# Altium PCB Crawler_Brain.PcbDoc
Units mm, origin at the board's own origin, x right, y up, seen from the top; angles counter-clockwise.
Board outline 64.26 x 56.2 mm, 4 copper layers (Top Copper, Signal Layer 1, Signal Layer 2, Bottom Copper), stack 1.57 mm thick; 78 components, 76 nets, 356 pads, 280 vias.
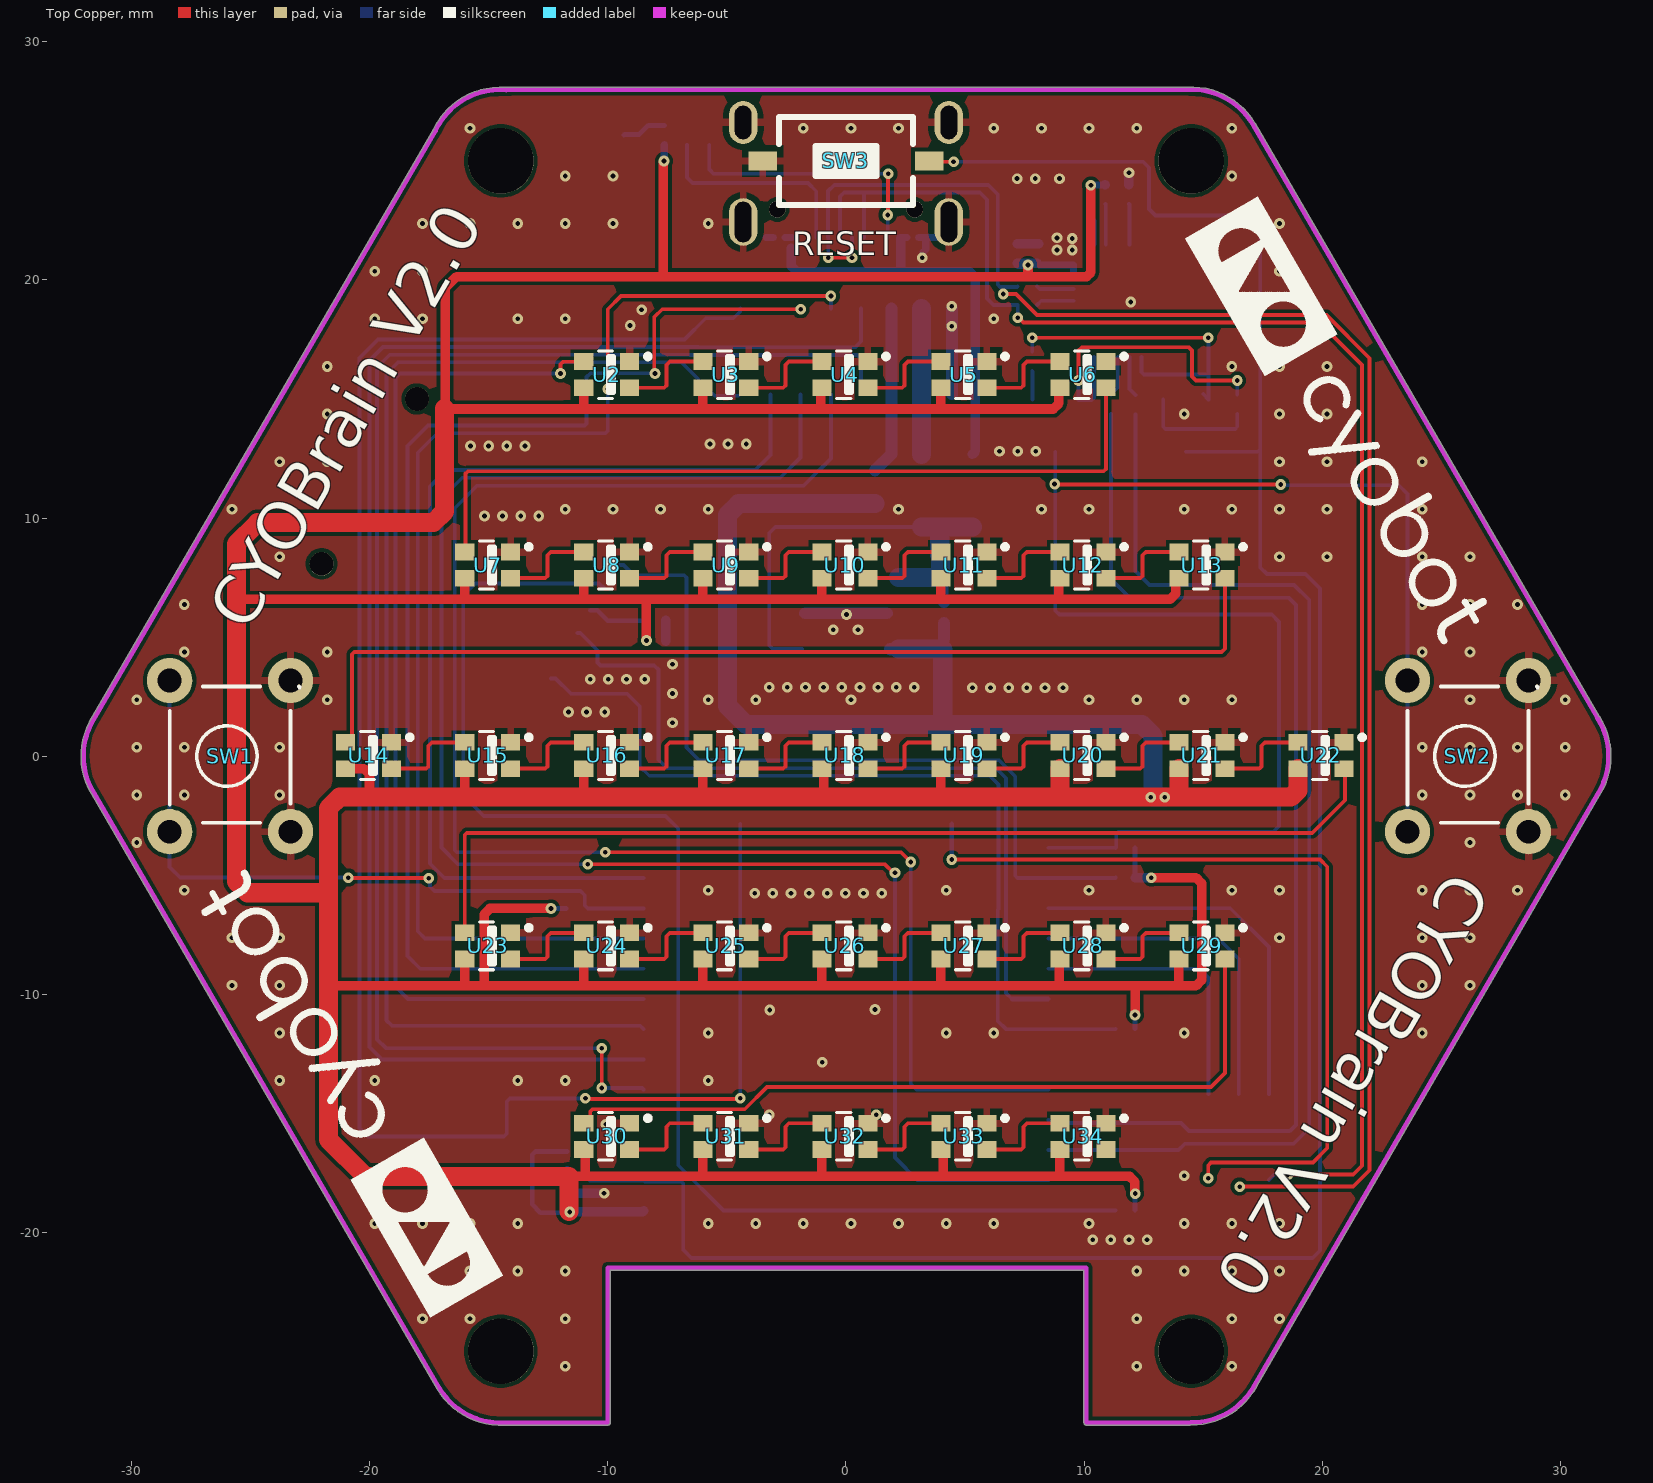
[diagram p0: Top Copper view]
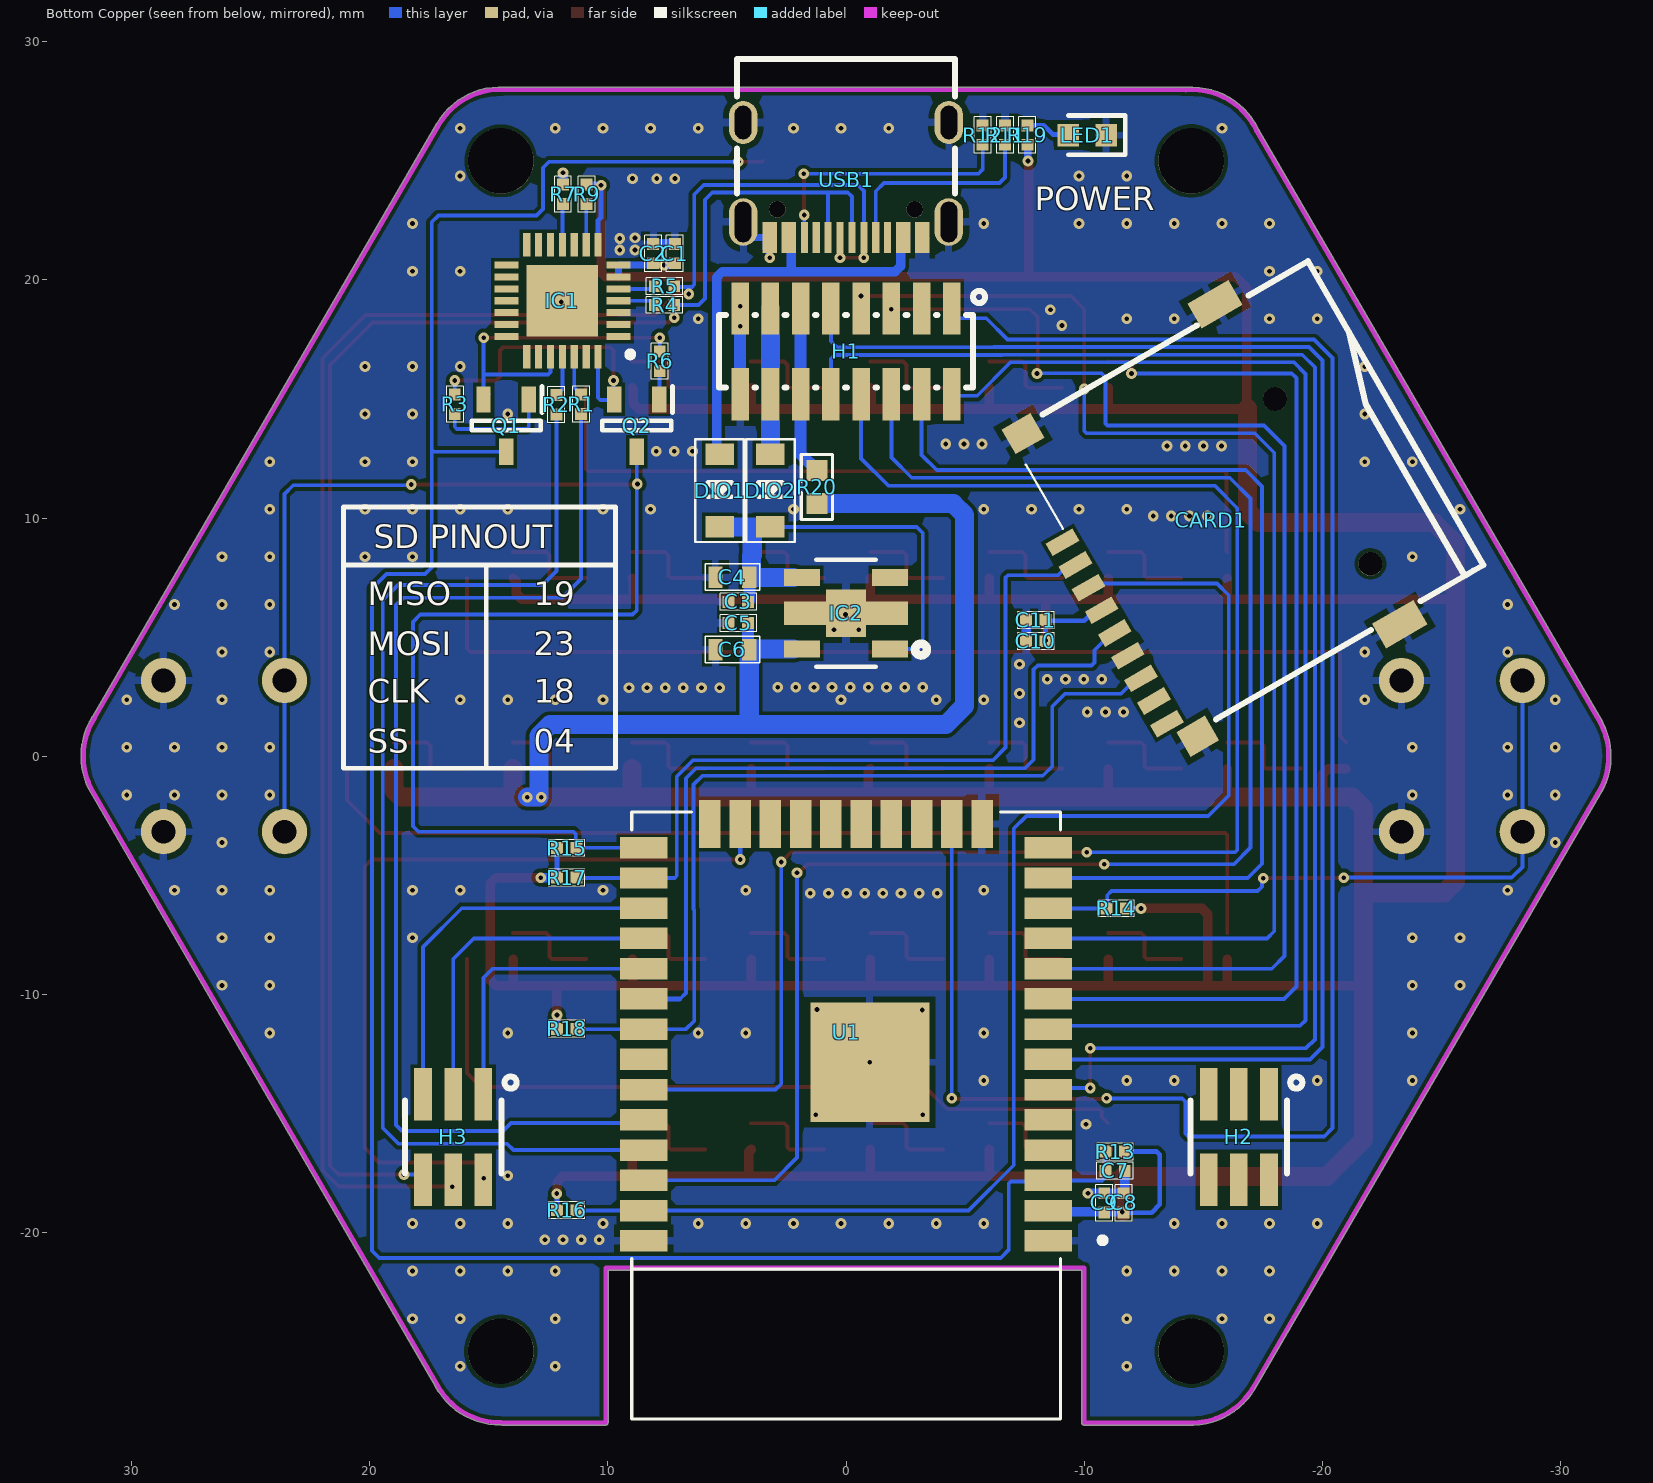
[diagram p1: Bottom Copper view, seen from below]
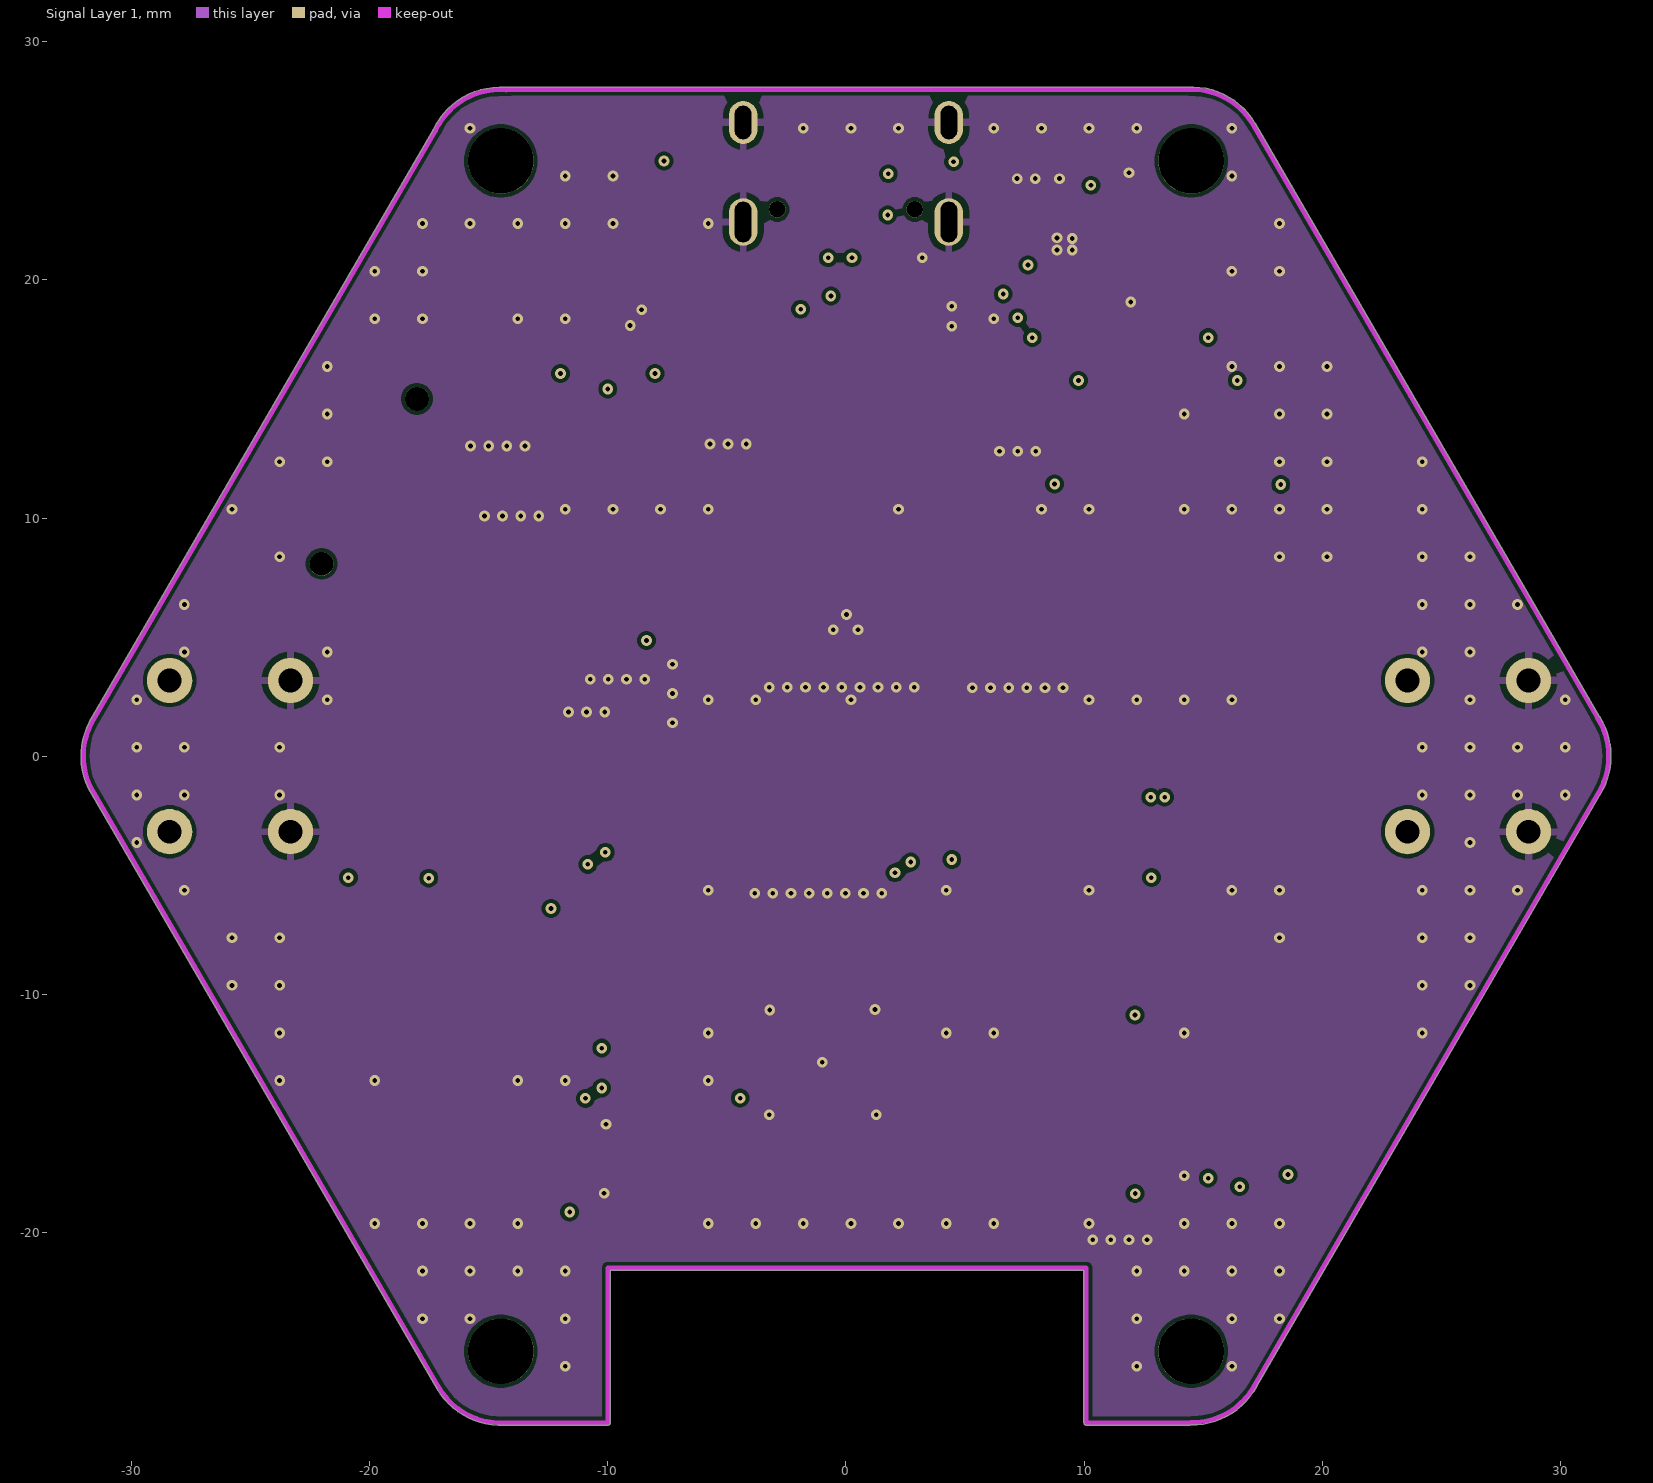
[diagram p2: Signal Layer 1]
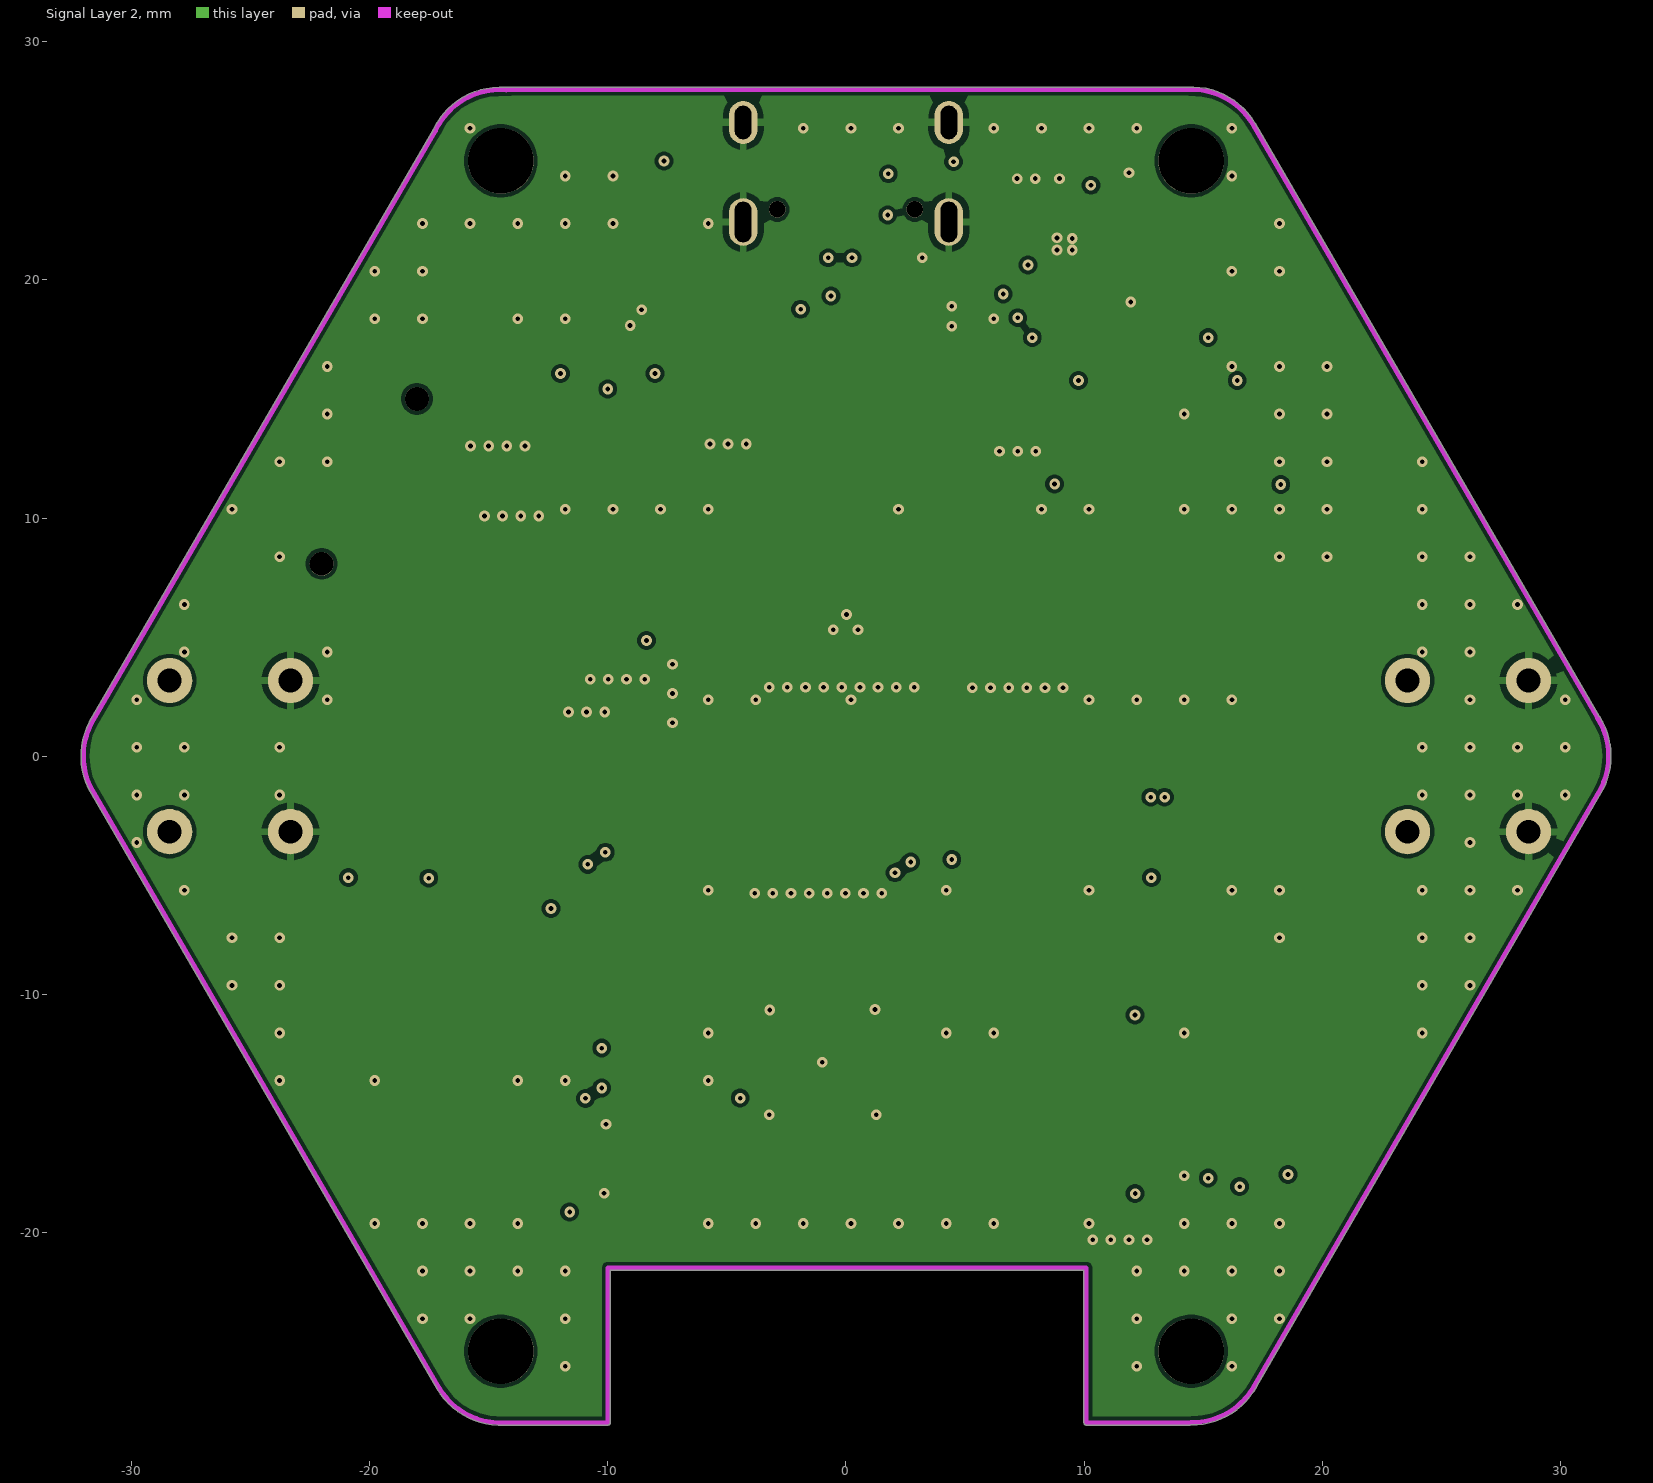
[diagram p3: Signal Layer 2]
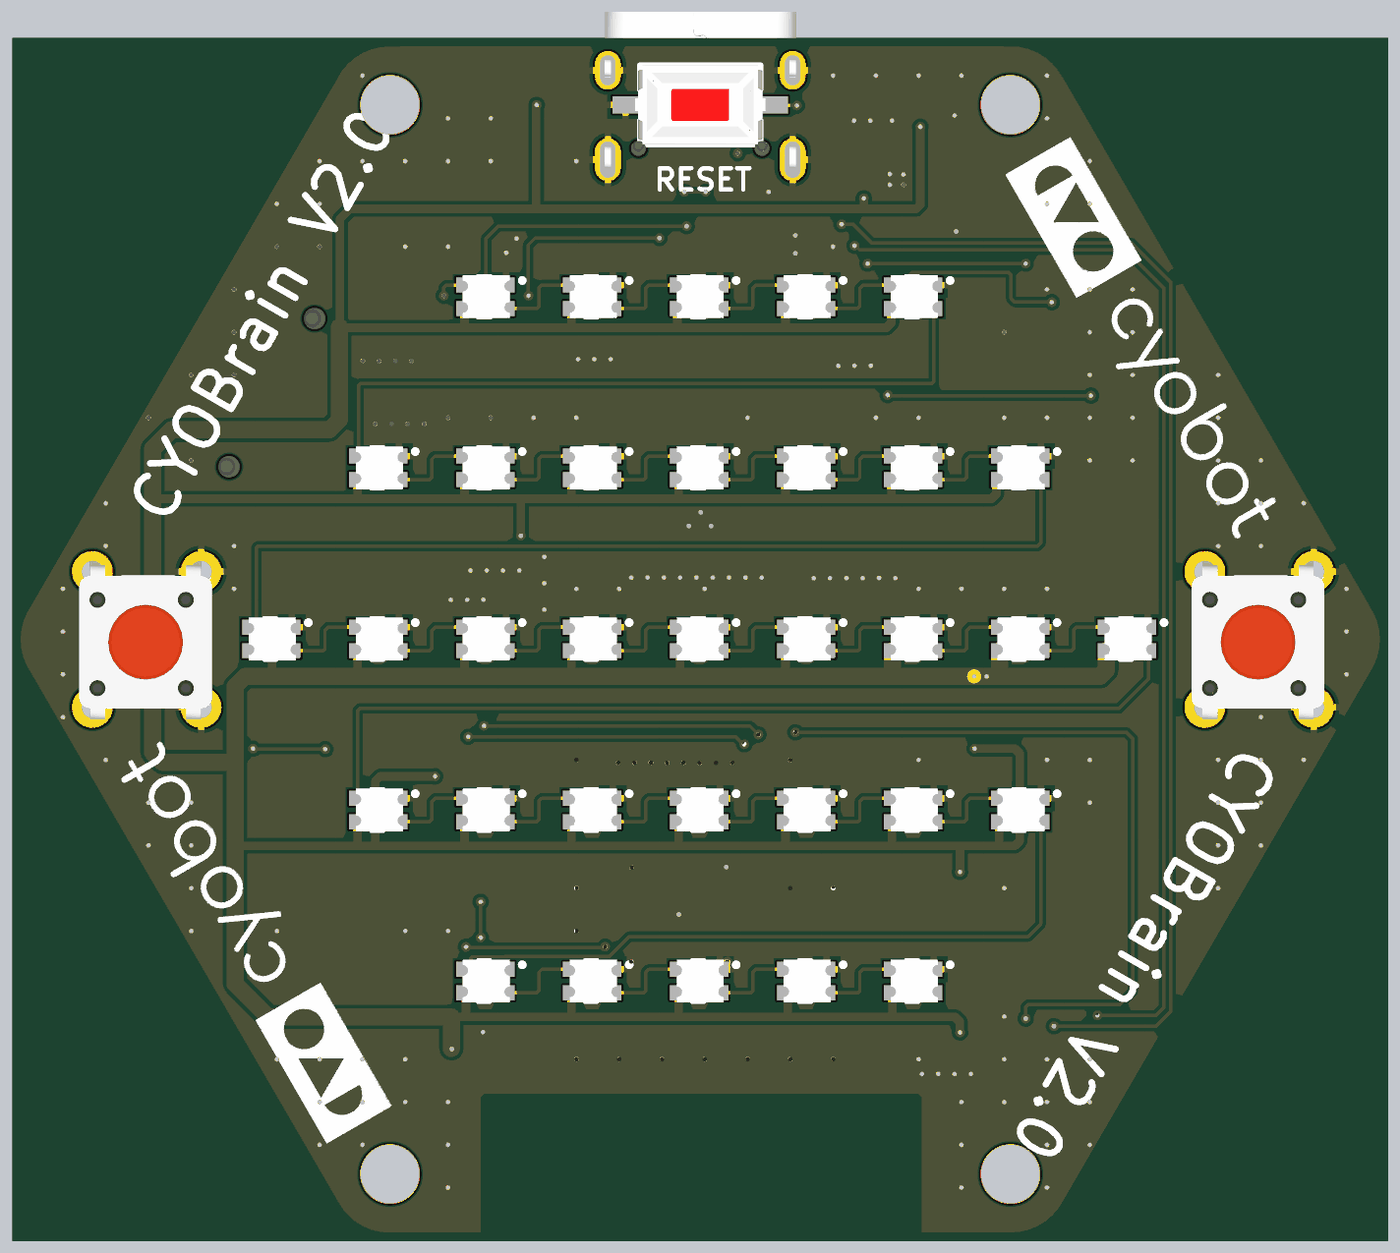
[diagram p4: 3D render of the assembled board from above, using the file's embedded part models]
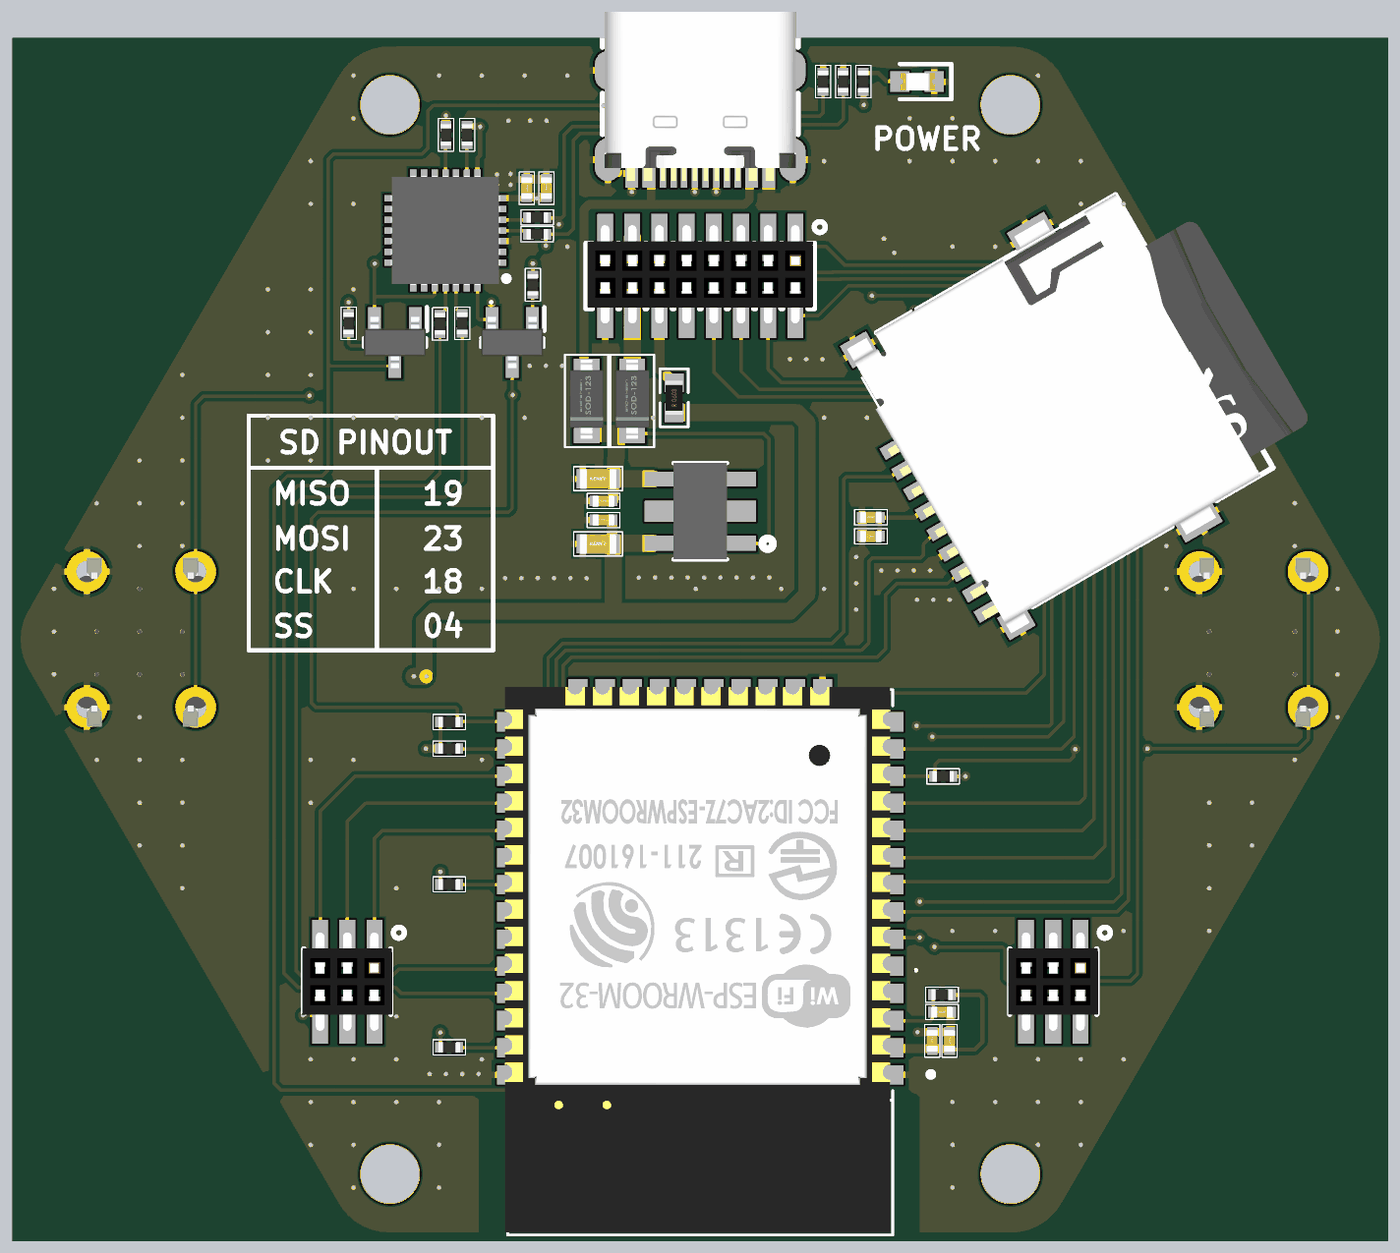
[diagram p5: 3D render of the assembled board from below, using the file's embedded part models]

## Layer stack, top to bottom
Top Mask: solder mask 0.015, Solder Resist, Dk 3.8
Top Copper: signal copper 0.035
Dielectric 1: prepreg 0.2, 7628, Dk 4.6
Signal Layer 1: signal copper 0.0175
Core: core 1.065, FR-4, Dk 4.5
Signal Layer 2: signal copper 0.0175
Dielectric 2: prepreg 0.2, 7628, Dk 4.6
Bottom Copper: signal copper 0.035
Bottom Mask: solder mask 0.015, Solder Resist, Dk 3.8

## Board outline
-17.177,-26.587 ccw(c-14.511,-25.004) -14.354,-28.1 -10,-28.1 ccw(c-10,-28) -9.9,-28 -9.9,-21.6 9.996,-21.6 9.996,-28 ccw(c10.097,-28) 10.097,-28.1 14.453,-28.1 14.489,-28.094 ccw(c14.529,-24.994) 17.254,-26.473 17.259,-26.462 31.796,-1.413 31.808,-1.382 ccw(c29.032,0) 32.133,0 ccw(c29.032,0) 31.655,1.654 31.648,1.669 17.193,26.575 17.161,26.614 ccw(c14.511,25.004) 14.354,28.1 -14.25,28.1 -14.302,28.086 ccw(c-14.529,24.994) -17.337,26.308 -31.786,1.424 -31.789,1.419 ccw(c-29.032,0) -31.831,-1.334 -31.827,-1.341

## Design rules (kind name [scope] priority, off if disabled: settings)
Clearance [All] p1: gap=0.16 ignorepadtopadclearanceinfootprint=TRUE
PolygonConnect [All] p1: thpad.connectstyle=Relief thpad.reliefconductorwidth=0.3 thpad.reliefentries=4 thpad.polygonreliefangle="90 Angle" thpad.airgapwidth=0.254 smdpad.connectstyle=Relief smdpad.reliefconductorwidth=0.3 smdpad.reliefentries=4 smdpad.polygonreliefangle="90 Angle" smdpad.airgapwidth=0.254 via.connectstyle=Direct via.reliefconductorwidth=0.254 via.reliefentries=4 via.polygonreliefangle="90 Angle" via.airgapwidth=0.254
RoutingVias [All] p1: holewidth=0.2 width=0.45 viastyle="Through Hole" minholewidth=0.2 minwidth=0.45 maxholewidth=0.2 maxwidth=0.45
SolderMaskExpansion [All] p1: expansion=0.102 istentingtop=FALSE
UnRoutedNet [All] p1: checkbadconnections=TRUE
Width [All] p1: maxlimit=0.8 minlimit=0.16 preferedwidth=0.16
29 further rules are at their usual default settings.

## Components (designator, comment, footprint, x,y, rotation, side; value= is the part's Value field where it differs from the comment)
C1 "4.7uF" CAP_0402 7.188,21.107 r270 bottom
C2 "100nF" CAP_0402 8.103,21.107 r270 bottom
C3 "1uF" CAP_0402 4.521,6.477 r180 bottom
C4 "22uF" CAP_0603 4.775,7.518 r180 bottom
C5 "1uF" CAP_0402 4.521,5.588 r180 bottom
C6 "22uF" CAP_0603 4.775,4.47 r180 bottom
C7 "100nF" CAP_0402 -11.303,-17.424 r0 bottom
C8 "4.7uF" CAP_0402 -11.659,-18.771 r270 bottom
C9 "100nF" CAP_0402 -10.846,-18.771 r270 bottom
C10 "4.7uF" CAP_0402 -7.976,4.826 r180 bottom
C11 "100nF" CAP_0402 -7.976,5.715 r180 bottom
CARD1 "TF-01A" TF-SMD_TF-01A -14.808,9.627 r60 bottom locked
DIO1 "Diode SMD" DIO-SMD-123 5.309,11.151 r90 bottom value=1N5007
DIO2 "Diode SMD" DIO-SMD-123 3.175,11.151 r90 bottom value=1N5007
H1 "X1321FVS-2X08-C43D48" HDR-SMD_16P-P1.27-V-F-R2-C8-LS4.8 0,17 r0 bottom locked
H2 "X1321FVS-2X03-C43D48" HDR-SMD_6P-P1.27-V-F-R2-C3-LS4.8 -16.5,-16 r0 bottom
H3 "X1321FVS-2X03-C43D48" HDR-SMD_6P-P1.27-V-F-R2-C3-LS4.8 16.5,-16 r0 bottom
IC1 "CP2102N-A02-GQFN28" QFN50P500X500X80-29N 11.913,19.126 r0 bottom
IC2 "XC6220B331PR-G" XC6220B331PRG 0,6 r90 bottom locked
LED1 "LTST-C190KRKT" LEDC1608X80N -10.135,26.086 r0 bottom
Q1 "SS8050-G" SOT95P240X115-3N 14.275,13.885 r270 bottom
Q2 "SS8050-G" SOT95P240X115-3N 8.789,13.885 r270 bottom
R1 "0R" RES_0402 11.125,14.783 r270 bottom
R2 "0R" RES_0402 12.167,14.757 r270 bottom
R3 "10K" RES_0402 16.434,14.783 r90 bottom
R4 "0R" RES_0402 7.62,18.948 r0 bottom
R5 "0R" RES_0402 7.62,19.736 r0 bottom
R6 "10K" RES_0402 7.823,16.586 r90 bottom
R7 "10K" RES_0402 11.887,23.597 r270 bottom
R9 "4.7K" RES_0402 10.897,23.597 r270 bottom
R11 "5.1K" RES_0402 -6.68,26.086 r270 bottom
R12 "5.1K" RES_0402 -5.74,26.086 r90 bottom
R13 "10K" RES_0402 -11.303,-16.612 r180 bottom
R14 "10K" RES_0402 -11.354,-6.401 r180 bottom
R15 "10K" RES_0402 11.735,-3.861 r0 bottom
R16 "10K" RES_0402 11.735,-19.075 r0 bottom
R17 "10K" RES_0402 11.735,-5.105 r0 bottom
R18 "10K" RES_0402 11.735,-11.455 r0 bottom
R19 "470R" RES_0402 -7.62,26.086 r270 bottom
R20 "0R" RES_0603 1.219,11.303 r90 bottom
SW1 "SW" SW2-DIP -26,0 r90 top locked value="Button chip 4 pin"
SW2 "SW" SW2-DIP 26,0 r90 top locked value="Button chip 4 pin"
SW3 "SW" SW1-SMD 0,25 r0 top value="SW chip 2 pin"
U1 "ESP32-WROOM-32D" ESP32WROOM32D16MB 0,-13.5 r0 bottom
U2 "WS2812B-2020" WS2812-2020 -10,16 r180 top locked
U3 "WS2812B-2020" WS2812-2020 -5,16 r180 top locked
U4 "WS2812B-2020" WS2812-2020 0,16 r180 top locked
U5 "WS2812B-2020" WS2812-2020 5,16 r180 top locked
U6 "WS2812B-2020" WS2812-2020 10,16 r180 top locked
U7 "WS2812B-2020" WS2812-2020 -15,8 r180 top locked
U8 "WS2812B-2020" WS2812-2020 -10,8.001 r180 top locked
U9 "WS2812B-2020" WS2812-2020 -5,8.001 r180 top locked
U10 "WS2812B-2020" WS2812-2020 0,8 r180 top locked
U11 "WS2812B-2020" WS2812-2020 5,8 r180 top locked
U12 "WS2812B-2020" WS2812-2020 10,8 r180 top locked
U13 "WS2812B-2020" WS2812-2020 15,8 r180 top locked
U14 "WS2812B-2020" WS2812-2020 -20,0 r180 top locked
U15 "WS2812B-2020" WS2812-2020 -15,0 r180 top locked
U16 "WS2812B-2020" WS2812-2020 -10,0 r180 top locked
U17 "WS2812B-2020" WS2812-2020 -5,0 r180 top locked
U18 "WS2812B-2020" WS2812-2020 0,0 r180 top locked
U19 "WS2812B-2020" WS2812-2020 5,0 r180 top locked
U20 "WS2812B-2020" WS2812-2020 10,0 r180 top locked
U21 "WS2812B-2020" WS2812-2020 15,0 r180 top locked
U22 "WS2812B-2020" WS2812-2020 20,0 r180 top locked
U23 "WS2812B-2020" WS2812-2020 -15,-8 r180 top locked
U24 "WS2812B-2020" WS2812-2020 -10,-8 r180 top locked
U25 "WS2812B-2020" WS2812-2020 -5,-8 r180 top locked
U26 "WS2812B-2020" WS2812-2020 0,-8 r180 top locked
U27 "WS2812B-2020" WS2812-2020 5,-8 r180 top locked
U28 "WS2812B-2020" WS2812-2020 10,-8 r180 top locked
U29 "WS2812B-2020" WS2812-2020 15,-8 r180 top locked
U30 "WS2812B-2020" WS2812-2020 -10,-16 r180 top locked
U31 "WS2812B-2020" WS2812-2020 -5,-16 r180 top locked
U32 "WS2812B-2020" WS2812-2020 0,-16 r180 top locked
U33 "WS2812B-2020" WS2812-2020 5,-16 r180 top locked
U34 "WS2812B-2020" WS2812-2020 10,-16 r180 top locked
USB1 "KH-TYPE-C-16P" USB-C-SMD_KH-TYPE-C-16P 0,24.2 r0 bottom locked
